# KiCad board digital_board_v1.kicad_pcb (continued)
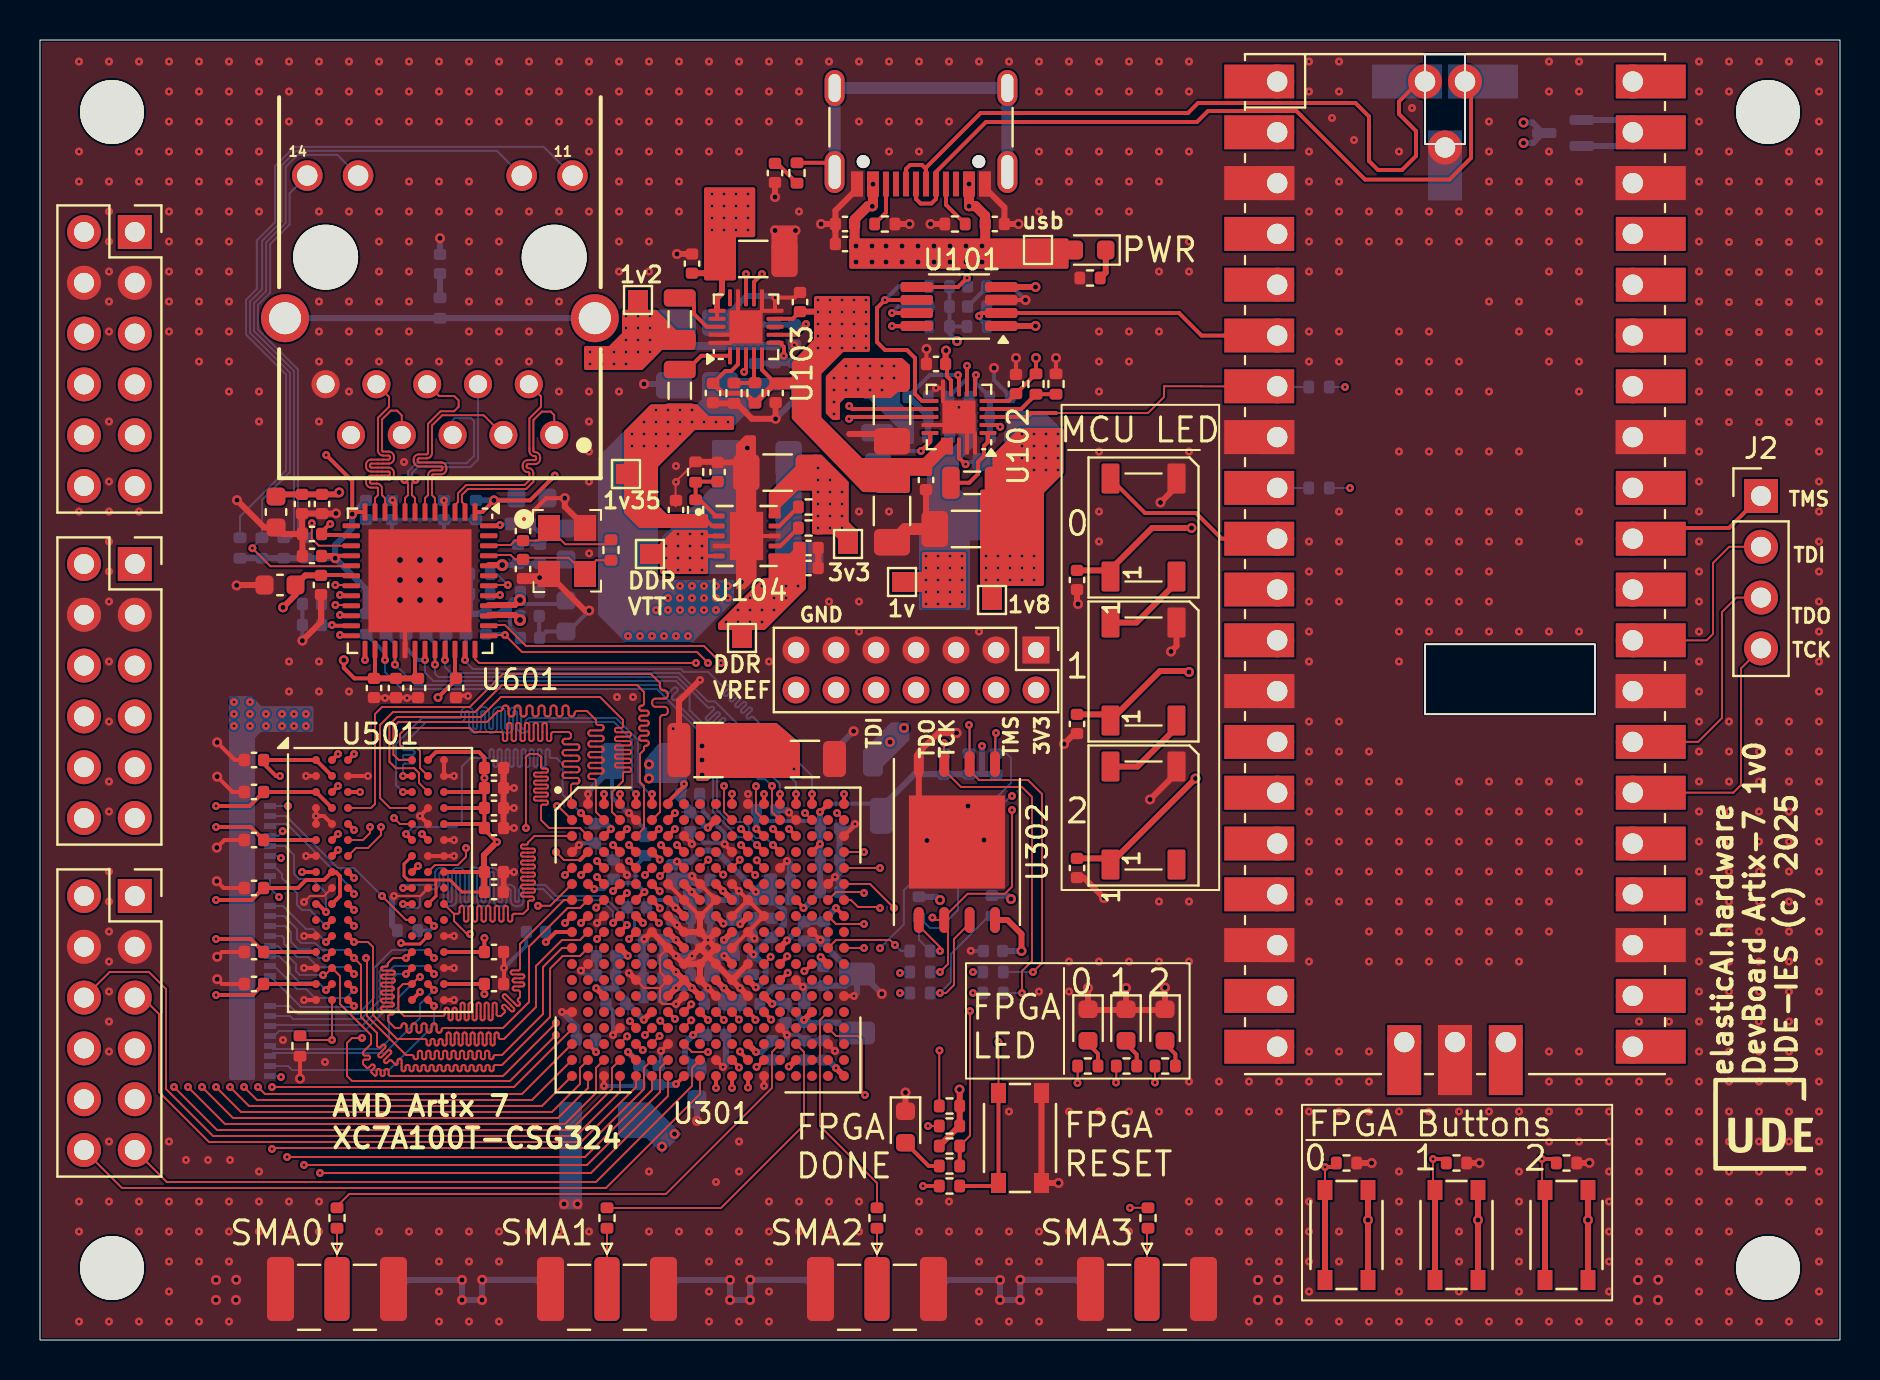
[diagram p0: board, top side]
## Routing (per net, layer and track width the routed paths; a pad name or vN(x,y) marks a point on that pad's centre or on a via; arc(x,y) is an arc through that point) (continued)
MCU_GP2_SPI0-SCK: length 60.4
  F.Cu (signal) w0.1: v1(44.62,21.12) 44.74,21 U302.6 ; v1(48.6,26.5) 48.6,22.67 48.24,22.31 46.38,22.31 45.22,21.14 45.22,20.69 45.4,20.5 45.4,18.8 v1(45,18.4) ; U301.E9 v1(33.41,24.01)
  In2.Cu (signal) w0.1: U11.4 54.75,48.19 54.75,34.05 48.05,27.35 48.05,27.05 v1(48.6,26.5) ; v1(44.62,21.12) 41.87,21.12 41.58,21.41 41.58,22.57 41.39,22.76 35.17,22.76 33.92,24.01 v1(33.41,24.01)
  B.Cu (signal) w0.1: R305.1 v1(45,18.4)
MCU_GP3_SPI0-MOSI: length 45.4
  F.Cu (signal) w0.1: 43.94,21.14 43.94,20.71 45,19.65 v1(45,19.45)
  In2.Cu (signal) w0.1: v1(48.6,27.2) 49.35,27.2 55.5,33.35 55.5,46.41 U11.5
  B.Cu (signal) w0.1: 43.95,21.15 R318.2 ; R318.2 43.95,20.01 R301.1 v1(45,19.45) ; R318.2 44.49,20.6 45,20.6 45.9,21.5 45.9,24.55 48.55,27.2 v1(48.6,27.2)
PGOOD_1: length 17
  F.Cu (signal) w0.1: 50.8,46.35 55.4,46.35 56.2,47.15 56.2,47.69 58.06,47.69 58.06,47.69 U11.7
  F.Cu (signal) w0.2: 50.8,46.35 49.55,46.35 49.35,46.15 U102.3
  B.Cu (signal) w0.1: U11.7 61.9,47.65 R204.2
PGOOD_2: length 31.7
  F.Cu (signal) w0.2: v1(35.21,48.41) 35.21,48.47 35.3,48.56 U103.3
  In5.Cu (signal) w0.2: U11.9 59,42.61 58.9,42.7 41.09,42.7 36.95,46.84 36.39,46.84 35.21,48.02 v1(35.21,48.41)
  B.Cu (signal) w0.1: U11.9 61.87,42.6 R205.2
PWR_SEQ_EN: length 16.8
  F.Cu (signal) w0.2: v1(46.95,51.2) 47.1,51.35 U101.2 56.95,51.35 58.07,50.22 U11.6
  B.Cu (signal) w0.2: R101.2 46.95,51.1 v1(46.95,51.2) 46.95,51.28 C101.1
RGMII_REF_CLK: length 27.5
  F.Cu (signal) w0.1: U301.B18 v1(39.85,26.35)
  In2.Cu (signal) w0.1: v1(23,37.25) 23.55,37.25 23.85,37.55 24.54,37.55 24.76,37.33 24.76,36 24.96,35.8 25.32,35.8 arc(25.38,35.82) 25.4,35.88 25.4,35.99 arc(25.43,36.04) 25.48,36.07 25.52,36.07 arc(25.58,36.04) 25.6,35.99 25.6,35.61 arc(25.63,35.56) 25.68,35.53 25.72,35.53 arc(25.78,35.56) 25.8,35.61 25.8,35.99 arc(25.83,36.04) 25.88,36.07 25.92,36.07 arc(25.98,36.04) 26,35.99 26,35.61 arc(26.03,35.56) 26.08,35.53 26.12,35.53 arc(26.18,35.56) 26.2,35.61 26.2,35.99 arc(26.23,36.04) 26.28,36.07 26.32,36.07 arc(26.38,36.04) 26.4,35.99 26.4,35.61 arc(26.43,35.56) 26.48,35.53 26.52,35.53 arc(26.58,35.56) 26.6,35.61 26.6,35.72 arc(26.63,35.78) 26.68,35.8 32.73,35.8 39.85,28.68 v1(39.85,26.35)
  B.Cu (signal) w0.1: 22.51,37.2 22.56,37.25 v1(23,37.25)
RGMII_RX_CLK: length 27.3
  F.Cu (signal) w0.1: 21.25,34.56 v1(21.25,34)
  F.Cu (signal) w0.2: U301.A16 v1(38.6,27.3)
  B.Cu (signal) w0.1: v1(38.6,27.3) 38.6,28.21 35.66,31.15 arc(35.6,31.17) 35.55,31.15 35.48,31.09 arc(35.43,31.07) 35.37,31.09 35.34,31.12 arc(35.32,31.17) 35.34,31.23 35.58,31.47 arc(35.6,31.52) 35.58,31.58 35.55,31.61 arc(35.49,31.63) 35.44,31.61 35.2,31.37 arc(35.14,31.35) 35.09,31.37 35.06,31.4 arc(35.04,31.46) 35.06,31.51 35.3,31.75 arc(35.32,31.81) 35.3,31.86 35.27,31.89 arc(35.21,31.92) 35.15,31.89 34.92,31.66 arc(34.86,31.63) 34.81,31.66 34.78,31.68 arc(34.75,31.74) 34.78,31.8 35.01,32.03 arc(35.04,32.09) 35.01,32.15 34.98,32.17 arc(34.93,32.2) 34.87,32.17 34.64,31.94 arc(34.58,31.91) 34.52,31.94 34.49,31.97 arc(34.47,32.02) 34.49,32.08 34.73,32.32 arc(34.75,32.37) 34.73,32.43 34.7,32.46 arc(34.65,32.48) 34.59,32.46 34.35,32.22 arc(34.3,32.2) 34.24,32.22 34.21,32.25 arc(34.19,32.31) 34.21,32.36 34.45,32.6 arc(34.47,32.66) 34.45,32.71 34.42,32.74 arc(34.36,32.76) 34.31,32.74 34.24,32.68 arc(34.19,32.66) 34.13,32.68 33.4,33.41 32.19,33.41 32.05,33.55 21.64,33.55 21.25,33.94 v1(21.25,34)
  B.Cu (signal) w0.2: R607.1 21.3,34.05 v1(21.25,34)
RGMII_RX_DV: length 27.3
  F.Cu (signal) w0.1: 20.25,34.56 v1(20.25,34)
  F.Cu (signal) w0.2: U301.A15 v1(37.8,27.3)
  B.Cu (signal) w0.1: v1(37.8,27.3) 37.8,27.88 36.63,29.05 arc(36.57,29.08) 36.51,29.05 36.42,28.96 arc(36.37,28.94) 36.31,28.96 36.28,28.99 arc(36.26,29.05) 36.28,29.1 36.58,29.4 arc(36.6,29.46) 36.58,29.51 36.55,29.54 arc(36.49,29.56) 36.43,29.54 36.14,29.24 arc(36.08,29.22) 36.03,29.24 36,29.27 arc(35.97,29.33) 36,29.39 36.29,29.68 arc(36.32,29.74) 36.29,29.79 36.27,29.82 arc(36.21,29.85) 36.15,29.82 35.86,29.53 arc(35.8,29.5) 35.74,29.53 35.71,29.56 arc(35.69,29.61) 35.71,29.67 36.01,29.96 arc(36.03,30.02) 36.01,30.08 35.98,30.11 arc(35.93,30.13) 35.87,30.11 35.57,29.81 arc(35.52,29.79) 35.46,29.81 35.43,29.84 arc(35.41,29.89) 35.43,29.95 35.73,30.25 arc(35.75,30.3) 35.73,30.36 35.7,30.39 arc(35.64,30.41) 35.59,30.39 35.49,30.3 arc(35.44,30.27) 35.38,30.3 33.75,31.93 33.38,31.93 31.96,33.35 20.55,33.35 20.25,33.65 v1(20.25,34)
  B.Cu (signal) w0.2: v1(20.25,34) 20.3,34.05 R608.1
RGMII_RXD0: length 27.7
  F.Cu (signal) w0.1: 19.75,34.56 v1(19.75,33.77)
  F.Cu (signal) w0.2: U301.A14 v1(37,27.3)
  B.Cu (signal) w0.1: v1(37,27.3) 37,27.79 36.74,28.05 36.74,28.05 34.65,30.14 34.65,30.39 34.51,30.52 arc(34.48,30.58) 34.51,30.64 34.54,30.67 arc(34.56,30.72) 34.54,30.78 34.51,30.81 arc(34.45,30.83) 34.39,30.81 34.01,30.43 arc(33.96,30.4) 33.9,30.43 33.87,30.46 arc(33.85,30.51) 33.87,30.57 34.25,30.95 arc(34.28,31) 34.25,31.06 34.22,31.09 arc(34.17,31.11) 34.11,31.09 33.73,30.71 arc(33.67,30.69) 33.62,30.71 33.59,30.74 arc(33.57,30.79) 33.59,30.85 33.97,31.23 arc(33.99,31.29) 33.97,31.34 33.94,31.37 arc(33.89,31.4) 33.83,31.37 33.45,30.99 arc(33.39,30.97) 33.33,30.99 33.31,31.02 arc(33.28,31.08) 33.31,31.13 33.69,31.51 arc(33.71,31.57) 33.69,31.63 33.66,31.66 arc(33.6,31.68) 33.55,31.66 33.52,31.63 arc(33.46,31.6) 33.4,31.63 31.88,33.15 19.93,33.15 19.75,33.33 v1(19.75,33.77)
  B.Cu (signal) w0.2: v1(19.75,33.77) 19.75,34.84 R601.1
RGMII_RXD1: length 27.8
  F.Cu (signal) w0.1: U301.B14 36.6,26.4 v1(36.6,27.7) ; 19.25,34.56 v1(19.25,34)
  B.Cu (signal) w0.1: v1(19.25,34) 19.25,33.37 19.67,32.95 31.8,32.95 32.48,32.27 32.48,31.49 34.37,29.6 arc(34.44,29.57) 34.51,29.6 34.6,29.69 arc(34.67,29.72) 34.74,29.69 34.78,29.65 arc(34.81,29.58) 34.78,29.51 34.46,29.19 arc(34.43,29.12) 34.46,29.05 34.5,29.02 arc(34.57,28.99) 34.64,29.02 34.95,29.33 arc(35.02,29.36) 35.1,29.33 35.13,29.3 arc(35.16,29.23) 35.13,29.16 34.81,28.84 arc(34.78,28.77) 34.81,28.7 34.85,28.66 arc(34.92,28.63) 34.99,28.66 35.31,28.98 arc(35.38,29.01) 35.45,28.98 35.48,28.94 arc(35.51,28.87) 35.48,28.8 35.4,28.72 arc(35.37,28.64) 35.4,28.57 35.93,28.04 36.26,28.04 v1(36.6,27.7)
  B.Cu (signal) w0.2: v1(19.25,34) 18.9,34 18.3,34.6 R602.1
RGMII_RXD2: length 29.7
  F.Cu (signal) w0.1: 17.75,34.56 v1(17.75,33.77)
  F.Cu (signal) w0.2: U301.D14 v1(36.65,24.75)
  B.Cu (signal) w0.1: 36.65,24.6 v1(36.65,24.75) 36.3,25.1 35.78,25.1 35.46,25.42 35.46,25.63 35.19,25.9 34.46,25.9 33.85,26.51 33.85,29.82 31.98,31.7 arc(31.95,31.77) 31.98,31.84 32.22,32.08 arc(32.25,32.15) 32.22,32.22 32.18,32.26 arc(32.11,32.29) 32.04,32.26 31.8,32.01 arc(31.73,31.99) 31.66,32.01 31.62,32.05 arc(31.59,32.12) 31.62,32.19 31.87,32.43 arc(31.9,32.51) 31.87,32.58 31.83,32.61 arc(31.76,32.64) 31.69,32.61 31.45,32.37 arc(31.38,32.34) 31.3,32.37 30.92,32.75 18.77,32.75 v1(17.75,33.77)
  B.Cu (signal) w0.2: R603.1 17.75,34.84 v1(17.75,33.77)
RGMII_RXD3: length 27.5
  F.Cu (signal) w0.1: 17.25,34.56 v1(17.25,34)
  F.Cu (signal) w0.2: U301.D13 v1(35.85,24.75)
  B.Cu (signal) w0.1: v1(17.25,34) 17.25,33.39 18.09,32.55 30.84,32.55 33.65,29.74 33.65,26.39 34.91,25.13 35.47,25.13 35.7,24.9 35.7,24.9 v1(35.85,24.75)
  B.Cu (signal) w0.2: R604.1 16.31,35.29 17.25,34.35 v1(17.25,34)
RGMII_TX_CLK: length 27.9
  F.Cu (signal) w0.1: 15.56,35.25 v1(15,35.25)
  F.Cu (signal) w0.2: U301.C12 v1(35.05,25.55)
  In2.Cu (signal) w0.1: v1(35.05,25.55) 34.79,25.55 33.8,26.54 33.8,29.2 arc(33.83,29.27) 33.9,29.3 34.01,29.3 arc(34.08,29.33) 34.11,29.4 34.11,29.45 arc(34.08,29.52) 34.01,29.55 33.9,29.55 arc(33.83,29.58) 33.8,29.65 33.8,30.45 30.42,33.83 22.68,33.83 21.27,35.24 15.01,35.24 v1(15,35.25)
RGMII_TX_DV: length 27.7
  F.Cu (signal) w0.1: 16.25,34.56 v1(16.25,34)
  F.Cu (signal) w0.2: U301.D12 v1(35.05,24.75)
  In2.Cu (signal) w0.1: v1(16.25,34) 16.25,34.25 16.67,34.67 17.19,34.67 arc(17.26,34.7) 17.29,34.77 arc(17.32,34.84) 17.39,34.87 17.44,34.87 arc(17.51,34.84) 17.54,34.77 17.54,34.47 arc(17.57,34.4) 17.64,34.37 17.69,34.37 arc(17.76,34.4) 17.79,34.47 17.79,34.57 arc(17.82,34.64) 17.89,34.67 21.56,34.67 22.6,33.63 30.34,33.63 33.6,30.37 33.6,25.93 34.26,25.27 34.53,25.27 v1(35.05,24.75)
RGMII_TXD0: length 29.3
  F.Cu (signal) w0.1: 15.56,37.75 v1(14.77,37.75)
  F.Cu (signal) w0.2: U301.A13 v1(36.2,27.3)
  In2.Cu (signal) w0.1: v1(14.77,37.75) 15.89,37.75 17.35,36.29 21.35,36.29 23.01,34.63 30.75,34.63 36.2,29.18 36.2,29.02 arc(36.25,28.91) 36.36,28.86 36.73,28.86 arc(36.85,28.81) 36.89,28.7 36.89,28.62 arc(36.85,28.51) 36.73,28.46 36.36,28.46 arc(36.25,28.41) 36.2,28.3 v1(36.2,27.3) 36.19,27.3
RGMII_TXD1: length 28.1
  F.Cu (signal) w0.1: v1(35.8,27.69) 35.8,26.4 U301.B13 ; 15.56,37.25 v1(15,37.25)
  In2.Cu (signal) w0.1: v1(15,37.25) 16.11,37.25 17.27,36.09 21.27,36.09 22.93,34.43 30.67,34.43 35.81,29.29 35.81,27.7 v1(35.8,27.69)
RGMII_TXD2: length 28.1
  F.Cu (signal) w0.1: 15.56,36.75 v1(14.77,36.75) ; U301.A11 v1(34.6,27.31)
  In2.Cu (signal) w0.1: v1(14.77,36.75) 15.8,36.75 16.14,36.41 16.14,35.95 16.45,35.64 21.43,35.64 22.84,34.23 30.59,34.23 35.07,29.75 35.07,28.92 arc(35.1,28.85) 35.17,28.82 35.42,28.82 arc(35.49,28.79) 35.52,28.72 35.52,28.67 arc(35.49,28.6) 35.42,28.57 35.17,28.57 arc(35.1,28.54) 35.07,28.47 35.07,27.78 v1(34.6,27.31)
RGMII_TXD3: length 28.1
  F.Cu (signal) w0.1: v1(34.2,27.7) 34.2,26.4 U301.B11 ; 15.56,36.25 v1(15,36.25)
  In2.Cu (signal) w0.1: v1(15,36.25) 15.3,36.25 15.47,36.08 15.47,35.69 15.72,35.44 21.35,35.44 22.76,34.03 30.5,34.03 34.48,30.05 34.48,29.2 arc(34.51,29.13) 34.58,29.1 34.6,29.1 arc(34.67,29.07) 34.7,29 34.7,28.95 arc(34.67,28.88) 34.6,28.85 34.36,28.85 arc(34.29,28.82) 34.26,28.75 34.26,28.7 arc(34.29,28.63) 34.36,28.6 34.6,28.6 arc(34.67,28.57) 34.7,28.5 34.7,28.45 arc(34.67,28.38) 34.6,28.35 34.58,28.35 arc(34.51,28.32) 34.48,28.25 34.48,27.98 v1(34.2,27.7)
USB_VCC: length 111.9
  F.Cu (signal) w0.1: v2(41.6,54.7) v2(41.6,53.9) ; v2(41.6,54.7) v2(40.8,54.7) ; v2(41.6,54.7) v2(42.3,54.7) ; C117.2 34.1,55 v1(33.6,55.5) v1(34.2,55.5) v1(34.8,55.5) v1(35.4,55.5) v1(35.4,56.1) v1(34.8,56.1) v1(34.2,56.1) v1(33.6,56.1) v1(33.6,56.7) v1(34.2,56.7) v1(34.8,56.7) v1(35.4,56.7) v1(35.4,57.3) v1(34.8,57.3) v1(34.2,57.3) v1(33.6,57.3) ; v2(40.8,54.7) v2(40.8,53.9) ; v2(40.8,54.7) 40.73,54.77 ; v1(39.5,52) v1(39.5,51.4) v1(39.5,50.8) v1(39.5,50.2) v1(39.5,49.6) ; v1(39.5,49.6) 39.5,49 38.9,49 ; v1(39.5,49.6) v1(40.1,49.6) ; v1(40.7,52) v1(40.7,51.4) v1(40.7,50.8) v1(40.7,50.2) v1(40.7,49.6) ; v2(42.3,54.7) v2(42.3,53.9) ; v2(42.3,54.7) v2(43.1,54.7) ; v1(41.3,52) v1(41.3,51.4) v1(41.3,50.8) v1(41.3,50.2) v1(41.3,49.6) v1(40.7,49.6) ; v1(40.1,49.6) v1(40.1,50.2) v1(40.1,50.8) v1(40.1,51.4) v1(40.1,52) ; v1(40.1,49.6) v1(40.7,49.6) ; v1(38.9,52) v1(38.9,51.4) v1(38.9,50.8) v1(38.9,50.2) v1(38.9,49.6) 38.9,49 ; v2(47.1,54.7) v2(46.3,54.7) v2(45.5,54.7) v2(44.7,54.7) v2(43.9,54.7) v2(43.1,54.7) ; 38.9,49 38.46,48.56 38.46,47.83 ; v2(43.1,54.7) v2(43.1,53.9) v2(43.9,53.9) v2(44.7,53.9) v2(45.5,53.9) v2(46.3,53.9) v2(47.1,53.9)
  F.Cu (signal) w0.2: U103.2 34.9,48.78 34.56,48.45 34.27,48.45 C113.2 ; v1(48.01,45.66) 47.92,45.75 U102.2 ; 45.28,49.45 v2(45.3,49.47) ; U102.5 48.43,46.95 C104.1 49.79,48.31 R105.1 v2(49.8,49.1) ; 36.74,47.83 C114.2 36.1,48.51 U103.5 ; U103.17 U103.16 ; U102.17 U102.16 45.15,44.3 44.33,43.48 C105.1 43.07,43.48 C106.2 41.65,43.01 40.16,44.5 40.16,44.68 ; C116.1 37.64,51.06 U103.9 ; U102.9 45.55,47.98 45.35,48.18 45.35,48.73 C103.1
  F.Cu (signal) w0.25: R113.1 35.25,47.34 34.14,47.34 C113.2
  F.Cu (signal) w0.3: U103.16 33.85,52.1 34.1,52.35 C117.2 33.39,53.34 C115.1 ; v2(46.45,56.69) 46.45,56.61 ; U101.4 v2(49.78,52.65) ; 36.74,47.83 R113.1 ; v2(57.45,33.4) 57.45,33.5 57.4,33.45 56,33.45 D202.1 53.22,31.28 C206.1 ; C207.1 53.22,24.08 D203.1 53.53,23.82 v2(57.78,28.07) ; U101.1 v2(49.78,50.7) ; C205.1 53.22,38.48 D201.1 53.53,38.53 55.6,40.6 v2(57.57,40.6) ; C103.1 45.28,49.45 ; C116.1 38.88,51.42 v1(38.9,51.4)
  F.Cu (signal) w0.5: J3.A9 v2(41.65,57.79) 41.65,56.72 v2(41.62,56.69) 41.38,56.69 40.73,56.03 C203.1 C202.1 ; v2(46.45,57.8) v2(46.45,56.69) 46.78,56.69 47.26,56.22 C201.1 47.26,54.86 v2(47.1,54.7)
  F.Cu (signal) w0.6: 38.46,47.83 C114.2
  In4.Cu (PWR) w0.2: v1(48.01,45.66) 48.31,45.66 49.35,46.7 49.55,46.7
  B.Cu (signal) w0.2: R102.1 R101.1 ; R102.1 45.47,50.33 v2(45.85,49.95) ; R102.1 R103.1 R104.1
  B.Cu (signal) w0.3: v2(74.18,59.85) 74.65,59.85 75.15,60.35 74.62,60.88 v2(74.18,60.88)
Net-(C204-Pad1): length 1.5
  F.Cu (signal) w0.2: C204.1 36.86,58.83 R203.2
Net-(C628-Pad1): length 1.2
  B.Cu (signal) w0.3: R612.2 C628.1
Net-(D201-DOUT): length 4.4
  F.Cu (signal) w0.3: D202.4 54.82,35.88 56.82,37.88 56.82,38.18
Net-(D202-DOUT): length 4.5
  F.Cu (signal) w0.3: 53.53,28.68 54.88,28.68 56.82,30.62 56.82,30.97
Net-(D204-K): length 1.5
  F.Cu (signal) w0.3: D204.1 53.29,53.38 R206.1
Net-(D301-A): length 1.5
  F.Cu (signal) w0.2: 52.9,13.55 52.9,14.31 52.4,14.81
Net-(D302-A): length 1.5
  F.Cu (signal) w0.2: 54.84,13.55 54.84,14.28 54.3,14.81
Net-(D303-A): length 1.5
  F.Cu (signal) w0.2: 56.77,13.55 56.77,14.29 56.25,14.81
Net-(D401-A): length 2.2
  F.Cu (signal) w0.2: R402.2 44.44,8.7 D401.2
Net-(J3-CC1): length 2.4
  F.Cu (signal) w0.2: R202.1 45.3,56.76 J3.A5
Net-(J3-CC2): length 2.2
  F.Cu (signal) w0.2: R201.1 42.3,56.37 J3.B5
Net-(J3-SHIELD): length 19.1
  F.Cu (signal) w0.2: J3.S1 39.27,58.86 R203.1
  B.Cu (signal) w0.6: J3.S1 J3.S1 J3.S1 J3.S1
Net-(J301-SIG): length 3.6
  F.Cu (signal) w0.1: 14.85,5.67 14.85,2.05
Net-(J302-SIG): length 3.6
  F.Cu (signal) w0.1: 28.35,5.67 28.35,2.05
Net-(J303-SIG): length 3.5
  F.Cu (signal) w0.1: 41.85,5.58 41.85,2.05
Net-(J304-SIG): length 3.7
  F.Cu (signal) w0.1: 55.35,5.78 55.35,2.05
Net-(J601-Pad11): length 36.8
  B.Cu (signal) w0.1: J601.11 25.19,59.66 12.72,59.66 11.75,58.69 11.75,55.89 10.84,54.98 10.84,52.55 10.3,52.01 10.3,50.28 12.3,48.28 12.3,43.48 10,41.18 R610.1
Net-(J601-Pad13): length 24.8
  B.Cu (signal) w0.1: R611.1 12.56,40.11 12.7,40.25 12.7,48.45 10.7,50.45 10.7,51.84 11.31,52.45 11.31,54.88 12.28,55.85 12.28,58.65 12.89,59.26 14.87,59.26 J601.13
Net-(J601-SH-PadZ1): length 15.5
  B.Cu (signal) w0.3: J601.Z1 R612.1 J601.Z2
Net-(U11-VSYS): length 5.5
  B.Cu (signal) w0.3: 77.15,61 79.03,61 U11.39 78.96,59.7 77.15,59.7
Net-(U101-TADJ): length 3.1
  F.Cu (signal) w0.2: U101.5 45.9,52.65 v1(46.35,53.1)
  B.Cu (signal) w0.2: C102.1 46.35,52.71 v1(46.35,53.1)
Net-(U102-FB1): length 5.1
  F.Cu (signal) w0.2: U102.7 v1(46.35,48.71)
  B.Cu (signal) w0.2: v1(46.35,48.71) 46.35,48.06 R108.1
  B.Cu (signal) w0.3: R108.1 R107.2 45.44,45.18 C107.2
Net-(U102-FB2): length 4.1
  F.Cu (signal) w0.2: v1(46.8,48.25) 46.75,48.2 U102.6
  B.Cu (signal) w0.2: R110.1 46.8,47.84 v1(46.8,48.25)
  B.Cu (signal) w0.3: R110.1 R109.2 47.49,45.18 C109.2
Net-(U102-FB3): length 6.1
  F.Cu (signal) w0.2: v1(45.9,48.25) 45.95,48.2 U102.8
  B.Cu (signal) w0.2: R112.1 44.49,48.25 v1(45.9,48.25)
  B.Cu (signal) w0.3: C111.2 44.41,45.18 R111.2 44.41,46.19 43.45,47.15 R112.1
Net-(U102-MODE): length 3.7
  F.Cu (signal) w0.2: R106.1 R105.2 49.06,46.55 U102.4
Net-(U102-SW1): length 2.8
  F.Cu (signal) w0.2: v1(46.28,43.79) 46.27,43.79 45.95,44.11 U102.18
  B.Cu (signal) w0.2: 47.85,43.65 47.85,43.7 47.65,43.9 46.39,43.9 v1(46.28,43.79)
Net-(U102-SW2): length 4
  F.Cu (signal) w0.2: 45.69,42.86 45.55,43 ; U102.1 47.4,44.9 47.2,44.7 47.2,44.2 46.9,43.9 46.9,43.3 46.46,42.86 L102.2
Net-(U102-SW3): length 3.6
  F.Cu (signal) w0.2: v1(44.05,44.45) 44.5,44.9 U102.15
  B.Cu (signal) w0.2: 42.05,45.39 42.05,45.2 42.8,44.45 v1(44.05,44.45)
Net-(U103-FB1): length 4.4
  F.Cu (signal) w0.2: v1(38.3,50.8) 37.76,50.26 U103.7
  B.Cu (signal) w0.2: v1(38.3,50.8) 38.27,50.77 37.7,50.77
  B.Cu (signal) w0.3: 35.7,50.73 35.74,50.77 37.7,50.77
Net-(U103-FB2): length 4.9
  F.Cu (signal) w0.2: v1(37.19,49.21) 37.19,49.3 37.2,49.31 37.2,49.65 36.99,49.86 U103.6
  B.Cu (signal) w0.2: 37.15,48.95 37,49.05 37.1,49.05 ; v1(37.19,49.21) 37.19,48.86 37.2,48.85 ; v1(37.19,49.21) 37.11,49.21 36.75,48.85 36.7,48.85 ; v1(37.19,49.21) 37.55,48.85 37.7,48.85
  B.Cu (signal) w0.3: 35.7,48.83 36.68,48.83 36.7,48.85 37.7,48.85
Net-(U103-MODE): length 2.4
  F.Cu (signal) w0.2: U103.4 35.7,47.91 R113.2 35.74,47.85 R114.1
Net-(U103-SW1): length 2.8
  F.Cu (signal) w0.2: U103.18 33.34,50.66 32.7,51.3 32.7,51.8 32.29,51.8 L104.2 31.99,52.01
Net-(U103-SW2): length 2.6
  F.Cu (signal) w0.2: 32.2,48.53 32.38,48.53 33.06,49.21 U103.1
Net-(U104-EN): length 1.6
  F.Cu (signal) w0.2: U104.7 37.02,39.7 R121.2
Net-(U104-PGOOD): length 1.6
  F.Cu (signal) w0.2: R124.2 36.97,40.7 U104.9
Net-(U104-REFIN): length 3.4
  F.Cu (signal) w0.2: C125.1 32.81,42.92 R123.1 32.78,42.22 33.79,41.2 U104.1
Net-(U301A-IO_L1N_T0_D01_DIN_14): length 7.4
  F.Cu (signal) w0.1: U301.K18 v1(41.2,19.6)
  In2.Cu (signal) w0.1: v1(46.65,18.4) 46,19.05 41.75,19.05 v1(41.2,19.6)
  B.Cu (signal) w0.1: R302.2 v1(46.65,18.4)
Net-(U301A-IO_L1P_T0_D00_MOSI_14): length 4.5
  F.Cu (signal) w0.1: U301.K17 39.8,20 42.5,20 v1(42.75,19.75)
  B.Cu (signal) w0.1: R301.2 43.05,19.45 v1(42.75,19.75)
Net-(U301A-IO_L2N_T0_D03_14): length 7.1
  F.Cu (signal) w0.1: U301.M14 37.02,18
  F.Cu (signal) w0.2: 37.02,18 v1(37.39,18.36)
  In2.Cu (signal) w0.1: v1(37.39,18.36) 37.7,18.05 42.3,18.05 v1(43,17.35)
  B.Cu (signal) w0.1: v1(43,17.35) R304.2
Net-(U301A-IO_L2P_T0_D02_14): length 11.3
  F.Cu (signal) w0.1: v1(37.36,19.19) 37.36,19.16
  F.Cu (signal) w0.2: 37.36,19.16 U301.L14
  In2.Cu (signal) w0.1: v1(46.65,17.35) 46.1,17.9 44.75,17.9 43.9,18.75 41.35,18.75 40.6,19.5 38.11,19.5 37.8,19.19 v1(37.36,19.19)
  B.Cu (signal) w0.1: R303.2 v1(46.65,17.35)
Net-(U301A-IO_L3N_T0_DQS_EMCCLK_14): length 6.1
  F.Cu (signal) w0.1: v1(38.22,18.44) 38.24,18.44
  F.Cu (signal) w0.2: 38.24,18.44 U301.L16
  In2.Cu (signal) w0.1: v1(43,18.35) 41.2,18.35 40.79,18.76 38.54,18.76 v1(38.22,18.44)
  B.Cu (signal) w0.1: v1(43,18.35) 43.05,18.4 R305.2
Net-(U501-ZQ): length 1.5
  F.Cu (signal) w0.2: U501.L8 v1(19.7,20.7)
  B.Cu (signal) w0.1: v1(19.7,20.7) 19.6,20.6
  B.Cu (signal) w0.2: v1(19.7,20.7) 19.47,20.47 R505.2
Net-(U601-ISET): length 1.1
  F.Cu (signal) w0.1: 22.44,40.75 v1(23,40.75)
  B.Cu (signal) w0.2: R613.2 23.05,40.8 v1(23,40.75)
unconnected-(U301G-IO_0_15-PadG13): length 0

## Copper pours and planes (outline as drawn; the poured copper is in the pictures)
/MCU/3V3_MCU on In3.Cu (PWR), In4.Cu (PWR): 63.5,56.5 82,56.5 82,36.5 63.5,36.5
/VCC_1V on F.Cu (signal) (solid shape): 32.9,28.05 33.35,28.05 33.5,28.2 37.9,28.2 37.9,29.8 36.8,30.75 32.9,30.75
/VCC_1V on B.Cu (signal) (solid shape): 44,36.55 44,40.2 45.2,41.4 46.45,41.41 46.45,36.55
/VCC_1V on B.Cu (signal) (solid shape): 33.32,19.4 34.89,19.41 34.89,19.05 33.88,19.05 33.88,18.03 33.32,18.03
/VCC_1V on B.Cu (signal) (solid shape): 46.02,46.23 46.72,46.23 46.72,44.85 45.38,43.51 45,43.51 45,43.86 46.02,44.88
/VCC_1V on B.Cu (signal) (solid shape): 45.9,44.05 45.9,42.55 46.25,42.2 48.2,42.2 48.2,40.84 47.37,40.03 44.41,40.03 44.41,44.05
/VCC_1V on In3.Cu (PWR), In4.Cu (PWR): 31.4,30 33.3,31.9 33.8,31.9 35.6,33.7 35.6,34.2 38.1,36.7 38.7,36.7 38.7,38 40.2,38 40.2,39.8 46.4,39.8 46.4,36.4 39.2,29.3 39.2,28 34.8,28 34.8,30
/VCC_1V on In3.Cu (PWR), In4.Cu (PWR): 31.4,17.2 34.7,17.2 34.69,20.2 33.5,20.2 33.5,22.2 34.8,22.2 34.8,30 31.4,30
/VCC_1V2 on F.Cu (signal) (solid shape): 27.3,48.6 30.07,48.6 31.07,49.61 32.65,49.61 32.65,50.4 31.77,50.4 30.77,51.41 29.2,51.41 29.2,50.3 28.5,49.6 27.3,49.6
/VCC_1V2 on B.Cu (signal) (solid shape): 27.3,48.6 27.3,49.6 28.5,49.6 29.2,50.3 29.2,51.4 32.7,51.4 32.7,49.6 31.05,49.6 30.05,48.6
/VCC_1V2 on In3.Cu (PWR), In4.Cu (PWR): 18.28,43.49 9.3,43.49 9.3,33.6 22.07,33.6 24.3,35.8 24.3,36.3 23.2,36.3 23.2,38.4 24.9,38.4 24.9,44 29.7,48.81 30.7,48.81 30.7,51.51 26.3,51.51
/VCC_1V8 on F.Cu (signal) (solid shape): 47.1,37.8 47.1,42.42 47.73,42.42 47.73,44.21 49.02,45.5 51.08,45.5 51.08,43.38 50.1,42.4 50.1,37.8
/VCC_1V8 on B.Cu (signal) (solid shape): 35.45,21.84 35.45,22.23 36.3,23.08 36.3,21.84
/VCC_1V8 on B.Cu (signal) (solid shape): 48.6,43.25 51.03,43.25 51.03,45.45 50.11,46.37 48.6,46.37
/VCC_1V8 on B.Cu (signal) (solid shape): 41.88,28.55 43.37,30.04 43.37,30.78 42.59,30.78 41.25,29.43 41.25,28.55
/VCC_1V8 on In3.Cu (PWR), In4.Cu (PWR): 39.7,24.1 39.7,29 46.9,36.2 46.9,39.8 50.2,39.8 50.2,34.7 42.6,27.1 42.6,24.1
/VCC_1V8 on In3.Cu (PWR), In4.Cu (PWR): 38.7,24.1 38.2,24.6 36.9,24.6 36.9,21.3 38.2,22.6 42.6,22.6 42.6,24.1
/VCC_1V8 on In3.Cu (PWR), In4.Cu (PWR): 34,20.6 35.21,20.6 35.21,17.2 36.9,17.2 36.9,24.6 35.4,24.6 35.4,21.7 34,21.7
GND on F.Cu (signal) (solid shape): 34.9,37.64 35.2,37.64 35.73,38.17 35.7,45.14 35.3,45.14 34.9,44.74
GND on B.Cu (signal) (solid shape): 36.89,44.4 37.97,44.4 37.97,39.8 39.07,39.8 39.07,38.44 36.89,38.44
GND on F.Cu (signal), B.Cu (signal), In1.Cu (GND), In2.Cu (signal), In5.Cu (signal), In6.Cu (GND): -0.5,-0.4 90.9,-0.4 90.9,65.5 -0.5,65.5
GND on B.Cu (signal), In1.Cu (GND), In2.Cu (signal), In3.Cu (PWR), In4.Cu (PWR), In5.Cu (signal), In6.Cu (GND): 7.8,4 7.8,1 82.09,1 82.1,4
GND on In3.Cu (PWR), In4.Cu (PWR): 32.8,57.8 32.8,64 7.5,64 7.5,57.8
GND on In3.Cu (PWR), In4.Cu (PWR): 63.5,35.8 68.4,35.8 68.4,30.5 83.4,30.5 83.4,57.3 89,57.3 89,7.9 82.1,7.9 82.1,4 78.9,4 78.9,16.3 63.5,16.3
VCC_3V3 on F.Cu (signal) (solid shape): 38.7,44.17 38.7,40.38 40.34,40.38 40.34,42.86 39.03,44.17
VCC_3V3 on F.Cu (signal) (solid shape): 36.49,41.16 36.97,41.16 36.97,41.67 38.1,42.74 38.1,43.93 36.49,42.32
VCC_3V3 on F.Cu (signal) (solid shape): 40,40 40.8,40 40.8,40.4 40.3,40.9 39.2,40.9 40,40.1
VCC_3V3 on F.Cu (signal) (solid shape): 39.39,46.38 39.67,46.1 39.9,46.1 39.9,46.9 40.2,47.2 42.52,47.2 43.4,48 43.4,48.7 43.07,49 40.25,49 39.39,48.14
VCC_3V3 on B.Cu (signal) (solid shape): 30.3,27.9 32.28,27.9 32.28,29.8 30.98,29.8 30.3,29
VCC_3V3 on B.Cu (signal) (solid shape): 31.1,9.38 32.01,10.29 30.48,11.83 29.8,11.83 29.8,10.16 30.32,10.16
VCC_3V3 on B.Cu (signal) (solid shape): 43.6,44.9 43.6,46.4 43.32,46.4 42.9,46.82 42.9,48.3 41.1,48.3 41.1,47.54 43,45.64 43,44.9
VCC_3V3 on B.Cu (signal) (solid shape): 39.39,46.38 39.67,46.1 39.9,46.1 39.9,46.9 40.2,47.2 42.52,47.2 43.4,48 43.4,48.7 43.07,49 40.24,49 39.39,48.15
VCC_3V3 on In3.Cu (PWR), In4.Cu (PWR): 38.26,40.3 38.26,48.7 47.3,48.7 47.3,45 56.7,45 56.7,40.3
VCC_3V3 on In3.Cu (PWR), In4.Cu (PWR): 39.7,38.5 34.4,38.5 34.4,41 31.2,41 31.2,54.7 37.7,54.7 37.7,48.7 39.7,48.7
VCC_3V3 on In3.Cu (PWR), In4.Cu (PWR): 23.7,36.7 23.7,37.9 25.4,37.9 25.4,43.7 29.9,48.3 32.3,48.3 32.3,41.9 22.5,32.1 11.2,32.1 10.7,32.6 8.7,32.6 8.7,33.15 22.35,33.15 24.8,35.6 24.8,36.7
VCC_3V3 on In3.Cu (PWR), In4.Cu (PWR): 7.8,4.5 7.8,7.6 6.9,7.6 6.9,13.5 78.4,13.5 78.4,4.5
VCC_3V3 on In3.Cu (PWR), In4.Cu (PWR): 32.8,57.3 7.5,57.3 7.5,44 18,44 26,52 32.8,52
VCC_3V3 on In3.Cu (PWR), In4.Cu (PWR): 35.4,25.1 35.4,27 39.2,27 39.2,24.6 38.9,24.6 38.4,25.1
VCC_3V3 on In3.Cu (PWR), In4.Cu (PWR): 25.2,12.5 25.2,22.1 27.1,24 27.1,25.8 30.6,29.3 30.9,29.3 30.9,16.7 37.4,16.7 37.4,12.5
VCC_3V3 on In3.Cu (PWR), In4.Cu (PWR): 1,57.3 8.8,57.3 8.8,30.5 6.9,30.5 6.9,7.6 1,7.6
VCC_3V3 on In3.Cu (PWR), In4.Cu (PWR): 37.4,12.5 37.4,21.1 38.4,22.1 43.1,22.1 43.1,26.8 50.7,34.4 50.7,40.3 56.7,40.3 56.7,23 60.5,23 60.5,12.5
/DDR3_VTT on F.Cu (signal) (solid shape): 31.1,38.4 33.3,38.4 33.3,40.4 31.7,40.4 31.1,39.8
/DDR3_VTT on B.Cu (signal) (solid shape): 31.2,38.4 34.9,38.4 34.9,44.9 33.7,44.9 33.7,42.6 31.2,40.1
/DDR3_VTT on B.Cu (signal) (solid shape): 9.56,30.1 10.6,30.1 11,30.5 13.57,30.5 13.57,31.59 11.01,31.59 10.57,32.1 9.56,32.1
/DDR3_VTT on In3.Cu (PWR), In4.Cu (PWR): 23.8,30.5 9.3,30.5 9.3,32.2 10.4,32.2 10.82,31.7 22.8,31.7 31.7,40.6 33.9,40.6 33.9,38.3 31.6,38.3
/DDR_VDD on F.Cu (signal) (solid shape): 34.6,46.1 33.4,46.1 32.82,46.68 30.58,46.68 29.3,45.4 29.3,41.4 30,40.7 33.3,40.7 33.3,41.2 31.3,41.2 30.8,41.7 30.8,43.7 32.7,45.6 34.6,45.6
/DDR_VDD on B.Cu (signal) (solid shape): 37,48 33.2,48 33.19,47 32.9,46.7 30.6,46.7 28,44.1 28,36.3 29.3,35 32.6,35 34.6,37 34.6,37.9 30.8,37.9 30.8,44.4 31.5,44.4 32.7,45.6 34.46,45.6 36.43,47.57 37,47.57
/DDR_VDD on In3.Cu (PWR), In4.Cu (PWR): 24,30 31.9,37.9 34.6,37.9 34.6,37.1 24.6,27.1 24.6,30
/DDR_VDD on In3.Cu (PWR), In4.Cu (PWR): 7.4,30 7.4,14 24.7,14 24.7,21 21.4,21 19,18.6 11.7,18.6 11.7,24.3 23.9,24.3 24.6,25 24.6,30
/DDR_VREF on F.Cu (signal) (solid shape): 34,35.8 34,35.6 36.2,35.6 38.2,37.6 38.2,39.81 37.76,39.81 37.76,39.46 37.52,39.22 36.53,39.22 36.53,38 36.2,38
/DDR_VREF on In3.Cu (PWR), In4.Cu (PWR): 32.4,32.4 33.6,32.4 35.1,33.9 35.1,35.1
/DDR_VREF on In3.Cu (PWR), In4.Cu (PWR): 12.2,23.8 12.2,19.1 18.7,19.1 21.2,21.6 24,21.6 24,23.8
/DDR_VREF on In3.Cu (PWR), In4.Cu (PWR): 24,23.8 24.2,23.8 25.1,24.7 25.1,27 36.15,38 38.2,38 38.2,37.1 37.8,37.1 30.9,30.2 29.6,29 26.6,26 26.6,24.2 24.7,22.3 24.7,21.6 24,21.6
USB_VCC on F.Cu (signal) (solid shape): 33.3,53.08 34.7,53.08 34.7,55.24 35.66,55.24 35.66,57.54 33.3,57.54
USB_VCC on F.Cu (signal) (solid shape): 37.69,48.84 38.8,49.99 38.8,52.1 41.4,52.1 41.4,49.5 40.12,49.5 38.97,48.35 38.97,46.09 41.06,44 44.2,44 45.2,45 45.53,45 45.53,44.38 45.11,44.38 44.49,43.76 44.49,43.31 43.39,43.31 43.39,42.46 41.18,42.5 37.69,46.1
USB_VCC on In3.Cu (PWR), In4.Cu (PWR): 33.3,64 33.3,55.2 38.2,55.2 38.2,49.2 47.8,49.2 47.8,45.5 58.75,45.5 58.75,64
USB_VCC on In3.Cu (PWR), In4.Cu (PWR): 57.2,23.5 57.2,64 60.5,64 60.5,23.5
USB_VCC on In3.Cu (PWR), In4.Cu (PWR): 58,57 81.75,57 81.75,64 58,64

Small or netless copper shapes (teardrops, artwork), in the pictures only: 4 on B.Cu (signal)

## Text on the board
F.Silkscreen: 14 | GND | TDI | TMS | TDO | TCK | 3V3 | 1v35 | 1v2 | DDR / VTT | DDR / VREF | 3v3 | 1v | 1v8 | usb | 1 | AMD Artix 7 / XC7A100T-CSG324 | elasticAI.hardware / DevBoard Artix-7 1v0 / UDE-IES (c) 2025 | SMA0 | SMA1 | SMA2 | FPGA / DONE | FPGA / LED | SMA3 | MCU LED | FPGA / RESET | 0 | 2 | PWR | FPGA Buttons
